# KiCad board TS_FPGA_Module_Rev2.kicad_pcb (continued)
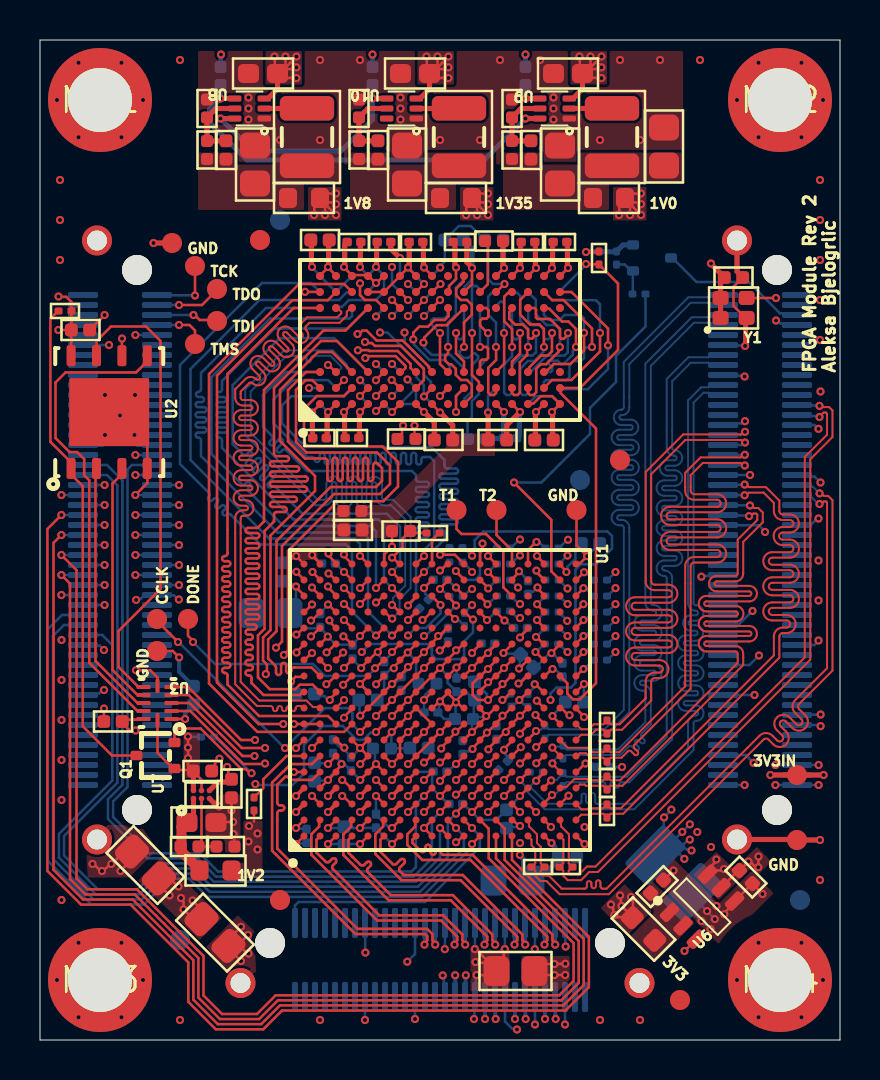
[diagram p0: board, top side]
## Routing (per net, layer and track width the routed paths; a pad name or vN(x,y) marks a point on that pad's centre or on a via; arc(x,y) is an arc through that point) (continued)
GND: length 325.5
  Top Layer w0.127: R61.1 9.7,9.7 9.7,10.28 v1(9.67,10.3) ; U1.M8 22,15.85 22.31,16.15 v1(22.31,16.2) ; v1(8.97,14.07) 8.75,13.84 8.75,13.59 8.59,13.43 ; v1(13.61,24.25) 13.61,24.22 13.94,23.89 13.96,23.89 ; U1.A11 13.16,18.16 12.77,18.16 v1(12.55,17.94) ; v1(16.8,21.88) 16.84,21.88 17.12,22.16 17.16,22.16 ; 17.16,17.36 U1.E9 ; 15.56,14.96 15.64,14.96 v1(16,14.6) U1.E6 16.4,14.19 16.01,13.8 v1(16.01,13.8) ; v1(15.2,18.6) 15.56,18.96 ; U1.L11 v1(21.6,18.6) 21.96,18.96 ; 21.16,19.76 21.12,19.76 20.8,19.44 ; TP5.1 26.82,24.73 v1(27.36,24.19) 27.01,23.84 26.84,23.84 U1.V18 ; v1(20.8,19.49) 20.8,19.45 20.4,19.04 U1.K12 ; U1.J13 19.6,19.85 19.95,20.2 20.32,20.56 20.36,20.56 ; v1(36.12,7.3) 36.12,7.31 35.62,7.81 C77.1 35.61,7.82 34.74,6.95 U6.4 34.73,6.88 34.21,6.36 v1(34.21,6.29) ; C78.1 31.19,8 31.67,8.48 v1(31.67,8.48) ; U2.9 3.73,31.4 5.37,29.76 5.37,27.85 v1(4.77,27.25) ; U1.G6 U1.G7 v1(18.4,15.4) 18.76,15.76 ; 17.96,18.16 v1(17.6,17.8) U1.F10 ; v1(26.42,12.21) 26.42,12.21 26.01,11.8 U1.U3 ; U4.J8 20.45,37.45 20.45,37.7 20.8,38.05 v1(20.8,38.62) ; C49.1 9.85,4.7 ; C49.1 9.42,5.04 v1(10.05,5.66) ; C49.1 9.42,4.58 v1(10.05,3.95) ; 9.85,4.7 9.99,4.7 10.37,4.32 v1(10.43,4.32) ; 9.85,4.7 v1(10.4,5.25) ; v1(14.4,13.8) U1.C6 ; U1.A8 13.92,15.8 13.96,15.76 ; U1.G9 v1(18.4,17) ; v1(4.02,8.45) 4.02,8.46 4.6,9.04 C58.1 ; U1.F6 v1(17.6,13.8) 17.96,14.16 ; C50.1 23.19,3.81 23.19,4.49 v1(23.24,4.54) ; C50.1 22.62,3.25 v1(21.82,3.25) ; C50.1 22.42,3.86 21.82,3.86 v1(21.78,3.9) ; C50.1 22.82,3.5 21.79,4.54 v1(21.74,4.54) ; v1(15.11,12.2) 15.15,12.2 15.55,11.8 U1.D3 ; 13.16,15.76 13.12,15.8 v1(12.69,15.8) ; 18.4,38.61 18.8,38.21 U4.G9 ; 18.4,38.61 18,38.21 U4.F9 U4.E8 U4.D8 ; 18.4,38.61 v1(18.4,38.63) ; v1(12.81,24.2) 12.81,24.2 13.13,23.87 13.14,23.87 ; v1(13.6,14.6) 13.96,14.96 ; 18.42,17.03 18.76,17.36 ; v1(22.4,13) 22.76,13.36 ; v1(19.2,22.6) U1.J17 ; v1(18.4,11.4) U1.H3 ; v1(22.12,24.83) 22.12,24.48 22.01,24.36 22.01,23.81 U1.M18 ; v1(12.8,9.8) U1.A1 ; 35.28,36.1 34.67,36.71 34.67,37.66 C72.2 ; 22.45,17.85 22.4,17.85 22,17.45 ; 22.45,17.85 v1(22.4,17.89) ; 22.45,17.85 22.45,17.89 22.72,18.16 22.76,18.16 ; U4.G1 v1(19.2,31.4) ; v1(17.6,9.8) U1.G1 ; v1(16.01,16.21) 16.36,16.56 ; 18.82,19.03 18.83,19.03 19.2,19.39 v1(19.2,19.39) ; U4.B1 v1(14.4,31.4) 14.36,31.36 ; v1(14.4,33.75) 14.42,33.75 14.78,33.4 U4.B3 ; 3.19,15.86 3.19,16.57 v1(3.2,16.58) ; U1.N15 v1(23.22,20.98) ; 14.81,14.96 14.85,14.96 15.2,14.61 v1(15.21,14.61) ; 26.84,10.16 26.85,10.16 27.21,9.8 v1(27.22,9.8) ; U1.U13 26,19.79 25.57,19.36 v1(25.57,19.34) ; U1.H10 U1.J11 v1(20,18.6) 20.36,18.96 ; U4.G8 v1(19.2,37.8) ; v1(9.57,11.48) 9.57,12.14 ; U1.E12 16.45,19 16.85,19.4 v1(16.89,19.4) 16.89,19.45 17.16,19.72 17.16,19.76 ; 22.76,16.56 22.72,16.56 22.35,16.2 22.28,16.2 22.28,16.28 22,16.55 U1.M9 ; C58.1 4.21,9.42 3.59,8.8 3.51,8.8 3.16,8.45 3.04,8.45 2.69,8.8 v1(2.62,8.8) ; C58.1 4.6,9.56 ; 24.36,16.56 24.36,16.56 24.01,16.21 v1(24,16.21) 24,16.21 23.6,15.81 23.6,15.75 23.3,15.45 23.3,15.4 23.25,15.4 22.85,15 U1.N7 ; 19.56,19.76 19.56,19.76 19.2,19.4 ; U1.N11 v1(23.2,18.6) 23.56,18.96 ; v1(16.8,31.45) 16.82,31.45 17.18,31.8 U4.E1 ; 8.48,12.06 U7.C1 ; v1(6.96,19.13) 6.64,19.45 TP7.1 ; v1(18.4,13) U1.H5 ; v1(12.8,14.6) 13.16,14.96 ; 25.19,22.2 25.19,22.26 24.88,22.58 v1(24.88,22.62) ; v1(14.4,10.6) U1.C2 ; C13.1 14.36,30.14 ; U4.B9 14.8,38.23 14.4,38.63 14,38.23 U4.A9 ; v1(4.8,18.49) 5.51,18.49 5.87,18.13 5.87,17.71 U3.6 ; v1(12.69,13.4) U1.A5 ; 21.16,10.16 21.12,10.16 20.84,9.89 v1(20.8,9.89) ; 22.8,19.78 22.4,19.38 v1(22.4,19.35) 22.38,19.35 22.03,19 U1.M12 ; v1(24.82,13.84) 24.83,13.84 25.19,14.2 U1.T6 ; 26.84,17.44 v1(27.2,17.8) ; U1.H6 U1.J7 v1(20,15.4) 20.36,15.76 ; v1(18.4,13.8) 18.76,14.16 ; 27.95,39.51 27.84,39.4 v1(27.3,39.4) ; U1.H12 18.78,19 18,18.23 U1.G11 ; C7.1 15.97,30.13 ; U4.D1 v1(16,31.4) 15.97,31.37 ; v1(16.06,18.6) 16.06,18.63 16.36,18.93 16.36,18.96 ; v1(19.2,11.4) U1.J3 ; C83.1 8.82,10.9 v1(9.66,10.9) ; v1(23.92,17.83) 23.99,17.83 24.32,18.16 24.36,18.16 ; v1(18.4,12.2) U1.H4 ; v1(13.6,12.2) U1.B3 ; U1.J1 v1(19.2,10.6) U1.J2 ; v1(14.4,21.78) 14.41,21.78 14.75,21.44 14.76,21.44 ; 22.76,14.96 22.76,14.92 22.42,14.57 v1(22.42,14.53) ; 21.96,15.76 v1(21.6,15.4) U1.L7 ; 15.97,14.58 U1.E7 ; U4.M1 v1(23.2,31.4) ; C3.2 2.49,35.5 3.23,36.25 v1(3.23,36.25) ; v1(17.6,13) U1.G5 ; U4.T9 v1(26.4,38.6) ; U4.P1 24.43,31.83 24.67,31.83 25.04,32.19 25.61,32.19 U4.T1 v1(25.6,31.4) ; 23.64,10.96 23.69,10.96 23.95,10.7 v1(24,10.7) ; v1(20,12.2) 20.36,12.56 ; v1(16,10.6) U1.E2 ; v1(16.8,32.2) U4.E2 ; U4.P9 v1(24.8,38.6) ; v1(16.8,13) U1.F4 ; v1(15.11,13) 15.15,13 15.55,12.6 U1.D4 ; v1(20,32.2) U4.J2 ; v1(17.6,16.2) 17.96,16.56 ; v1(17.6,19.4) 17.96,19.76 ; U4.M9 v1(23.2,38.6)
  Top Layer w0.25: v1(8.96,11.68) 8.87,11.68 8.54,12.01
  Top Layer w0.254: C11.1 25.63,30.03 25.63,31.37 v1(25.6,31.4) ; C8.1 16.83,39.87 16.83,38.68 v1(16.8,38.65) ; C72.2 35.13,38.14 34.85,38.43 JM1.102 ; C12.1 16.02,39.88 16.02,38.66 v1(16,38.64) ; v1(39,10) TP13.1 37.82,10.03 JM1.101 ; 14.36,30.14 14.36,31.36 ; C26.1 26.37,39.87 26.37,38.63 v1(26.4,38.6) ; v1(18.4,38.63) 18.4,38.67 18.46,38.73 C9.1 ; v1(23.2,38.6) 23.15,38.65 23.15,39.8 ; v1(20.8,38.62) 20.75,38.68 20.75,39.81 C10.1 ; v1(35.25,34.7) 35.28,34.73 35.28,36.06 Y1.2 ; 15.97,30.13 15.97,31.37 ; C14.1 24.77,39.87 24.77,38.63 v1(24.8,38.6) ; v1(19.2,31.4) 19.72,30.88 C16.1 ; v1(5.67,39.85) TP12.1 ; C6.1 14.43,39.97 14.43,38.68 v1(14.4,38.65) 14.4,38.63
  Int1 (GND) w0.102: 39.15,2.05 38.24,1.14 v1(38.07,1.14) v1(35.92,1.14) 35.84,1.14 34.85,2.12 v1(34.85,3) 34.85,3.79 v1(35.92,4.86) v1(38.07,4.86) 38.16,4.86 39.15,3.88 v1(39.15,3) 39.15,2.05 ; 0.85,47.88 v1(0.85,47) 0.85,46.15 1.86,45.14 v1(1.92,45.14) v1(4.07,45.14) 5.15,46.21 v1(5.15,47) 5.15,47.79 v1(4.07,48.86) v1(1.92,48.86) 1.84,48.86 0.85,47.88 ; 5.15,3.79 v1(5.15,3) 5.15,2.21 v1(4.07,1.14) v1(1.92,1.14) 0.85,2.21 v1(0.85,3) 0.85,3.79 v1(1.92,4.86) v1(4.07,4.86) 5.15,3.79 ; v1(39.15,47) 39.15,46.21 v1(38.07,45.14) v1(35.92,45.14) 34.85,46.21 v1(34.85,47) 34.85,47.79 v1(35.92,48.86) v1(38.07,48.86) 38.24,48.86 39.15,47.95 v1(39.15,47)
  Bottom Layer w0.127: v1(22.31,16.2) 22.26,16.15 21.73,16.15 21.69,16.19 ; 32.64,7.14 32.66,7.14 v1(33.35,6.45) ; 32.64,7.14 32.64,6.39 v1(33.07,5.95) 33.1,5.95 33.5,5.55 v1(33.53,5.55) ; 32.64,7.14 32.64,7.44 33.09,7.44 v1(33.82,6.7) ; v1(23.92,17.83) 24.65,18.55 24.68,18.55 C59.1 24.77,18.62 25.49,19.34 v1(25.57,19.34) ; v1(38.92,26.08) 38.86,26.08 38.61,25.83 37.93,25.83 JM1.53 ; v1(21.7,1.05) 21.72,1.08 21.72,2.12 21.79,2.19 21.79,3.21 v1(21.82,3.25) ; JM1.63 37.93,28.17 38.73,28.17 v1(39.03,27.88) ; v1(22.4,19.35) 22.45,19.4 22.45,19.54 22.69,19.78 22.74,19.78 ; JM1.64 v1(35.5,28.25) ; v1(20,32.2) U4.J2 ; v1(33.07,23.17) 33.11,23.21 34.11,23.21 JM1.44 ; v1(4.77,27.25) JM2.59 ; C31.1 26.83,9.2 27.17,9.54 27.17,9.75 v1(27.22,9.8) ; v1(14.4,21.78) 14.4,21.75 14.01,21.36 C46.1 ; JM1.20 v1(35.72,17.25) ; v1(13.61,24.25) 13.62,24.25 14.05,23.83 C39.1 ; JM3.18 23.25,0.93 23.6,0.58 23.8,0.58 v1(23.85,0.53) ; U4.M9 v1(23.2,38.6) ; 20.38,20.54 20.37,20.54 20.09,20.25 19.96,20.25 v1(19.91,20.2) ; 27.99,24.8 27.96,24.8 27.36,24.2 v1(27.36,24.19) ; 16,38.62 16.4,38.22 ; 16.4,38.22 16.4,38.23 16.8,38.62 17.2,38.23 U5.E1 U4.E8 16.8,37 15.45,37 15.1,36.65 14.85,36.65 U5.B3 ; 16.4,38.22 U5.D1 ; v1(16.01,16.21) 15.98,16.25 15.98,16.96 C60.1 ; v1(3.2,19.5) 2.99,19.71 2.19,19.71 JM2.30 ; 17.21,18.95 17.6,19.34 v1(17.6,19.4) ; 17.21,18.95 C62.1 ; 17.21,18.95 16.94,19.22 16.94,19.35 v1(16.89,19.4) ; v1(16.25,1) JM3.46 ; 21.69,16.19 21.69,16.09 FB2.2 ; 21.69,16.19 21.66,16.19 21.6,16.12 v1(21.6,15.4) 21.56,15.4 21.13,14.97 ; 21.69,16.19 21.69,16.95 C56.1 21.25,17.46 20.82,17.46 ; v1(35.68,13.86) 35.28,14.25 JM1.8 ; v1(35.62,21.45) 35.61,21.45 35.41,21.25 35.41,21.25 34.97,20.81 34.21,20.81 JM1.34 ; v1(38.92,19.98) 38.92,19.95 38.72,19.75 JM1.29 ; v1(12.8,9.8) 12.83,9.83 13.29,9.83 C66.1 ; JM1.74 34.23,30.83 35.06,30.83 35.17,30.94 v1(35.25,30.94) ; v1(12.55,17.94) 12.61,17.88 12.61,17.56 12.79,17.38 ; 33.35,6.45 33.35,6.44 33.74,6.05 v1(33.74,6.04) ; v1(14.4,31.4) U4.B1 ; v1(14.4,31.4) 14.36,31.36 ; v1(14.4,31.4) U5.A9 ; JM1.73 38.72,30.75 38.91,30.56 v1(38.92,30.56) ; v1(18.36,3.91) 18.75,4.3 JM3.35 ; 15.62,19.03 16.06,18.6 v1(16.06,18.6) ; 15.62,19.03 15.62,19.03 15.2,18.61 v1(15.2,18.6) ; 15.62,19.03 15.62,19.06 ; 26.25,5.85 26.27,5.82 26.27,4.69 v1(26.28,4.67) ; U4.B9 14.8,38.23 14.4,38.63 ; v1(18.4,13) 18.81,13.41 19.66,13.41 19.61,13.36 19.61,12.59 v1(20,12.2) 20.01,12.2 20.42,11.8 C34.1 ; v1(14.4,10.6) 15.14,10.6 C65.1 15.26,10.6 v1(16,10.6) 16.01,10.6 16.79,10.6 C67.1 16.8,10.59 17.6,9.8 v1(17.6,9.8) ; v1(35.23,33.17) 35.19,33.21 34.19,33.21 JM1.84 ; C30.1 23.38,10.65 23.95,10.65 v1(24,10.7) ; v1(24.75,0.78) 24.75,2.14 ; U4.P1 24.79,32.19 25.61,32.19 U4.T1 v1(25.6,31.4) ; v1(20,15.4) 19.6,15 19.6,14.76 19.43,14.6 ; 21.75,4.55 21.75,5.85 ; C45.1 23.64,20.6 23.27,20.98 v1(23.22,20.98) ; C70.1 13.75,13.83 14.37,13.83 v1(14.4,13.8) ; U4.G1 v1(19.2,31.4) ; U4.G1 U5.F9 U5.G8 ; U4.G1 U5.G8 ; 22.82,15.04 22.82,14.99 22.42,14.59 v1(22.42,14.53) ; v1(24.88,22.62) 24.87,22.62 24.66,22.42 24.53,22.42 C36.1 ; JM2.20 2.23,17.33 2.95,17.33 3.12,17.5 v1(3.2,17.5) ; v1(35.25,34.7) 35.23,34.73 34.17,34.73 JM1.90 ; C48.1 19.63,23.01 19.21,22.6 v1(19.2,22.6) 19.25,22.55 19.25,22.33 19.39,22.19 19.39,21.99 ; 24.75,4.55 24.75,5.85 ; 15.97,31.37 v1(16,31.4) ; U5.G8 v1(18.38,33.03) ; v1(20,18.6) 20.38,18.22 20.38,17.86 C51.1 ; C41.1 12.35,24.06 12.59,24.06 12.73,24.2 v1(12.81,24.2) ; U4.T9 v1(26.4,38.6) ; v1(16.01,32.99) 16.4,32.6 U5.D8 ; C43.1 27.19,16.91 27.19,17.79 v1(27.2,17.8) ; 25.57,19.33 25.64,19.33 26.12,18.84 C37.1 ; v1(19.2,37.8) U4.G9 18.8,38.21 18.4,38.61 ; v1(16.8,32.2) U4.E2 ; JM2.49 v1(6.95,24.75) ; JM1.2 v1(35.23,12.75) ; JM3.45 16.26,5.84 16.26,4.38 v1(16.27,4.37) ; C68.1 14.65,15 14.98,14.67 15.16,14.67 v1(15.21,14.61) ; v1(35.95,19.23) 35.48,18.75 JM1.26 ; C32.1 v1(29.1,13.65) ; JM1.54 34.16,25.74 35.94,25.74 36.25,25.43 v1(36.25,25.4) ; JM3.29 20.25,5.85 20.25,4.55 v1(20.24,4.54) ; v1(1.07,27.25) JM2.60 ; v1(18.75,1.05) JM3.36 ; U4.P9 v1(24.8,38.6) ; JM2.90 v1(3.45,34.75) ; U4.M1 v1(23.2,31.4) ; JM3.30 20.19,2.21 20.19,3.18 v1(20.14,3.23) ; U4.J8 20.45,37.45 20.45,37.7 20.8,38.05 v1(20.8,38.62) ; JM2.50 v1(3.23,24.75) ; 15.22,14.65 15.27,14.61 15.27,14.45 15.58,14.14 15.6,14.14 15.6,14.18 16,14.58 v1(16,14.6) ; v1(1.07,22.25) JM2.40 ; v1(6.94,22.03) 6.9,22.03 6.7,22.23 5.87,22.23 JM2.39 5.77,22.17 5.15,22.17 5.05,22.06 5.04,22.06 5.03,22.06 4.86,22.06 v1(4.8,22) ; v1(18.4,18.65) 18.35,18.6 18.35,18.48 18.08,18.21 C54.1 18.07,18.17 17.76,17.85 17.65,17.85 v1(17.6,17.8) ; v1(22.4,13) 22.41,13 22.9,13.48 C33.1 ; 23.25,4.55 23.25,5.85 ; v1(26.25,0.78) 26.25,2.14
  Bottom Layer w0.2: v1(4.75,32.25) JM2.79 ; JM2.70 3.09,29.75 3.25,29.91 v1(3.25,30.25) ; JM2.80 v1(3.25,32.25) ; 6.96,19.13 6.96,18.4 C1.2 ; v1(4.72,30.25) 4.72,29.94 4.91,29.75 JM2.69
  Bottom Layer w0.254: C8.1 16.83,39.87 16.83,38.68 v1(16.8,38.65) 16.8,38.63 ; 14.36,31.36 14.36,30.12 C15.1 ; 18.4,38.61 18.4,38.67 18.46,38.73 C9.1 ; v1(24.8,38.6) 24.77,38.63 24.77,39.87 C14.1 ; R18.2 22.32,30.07 23.13,30.07 C25.1 23.18,30.12 23.18,31.38 v1(23.2,31.4) ; C7.1 15.97,30.13 15.97,31.37 ; C6.1 14.43,39.97 14.43,38.68 v1(14.4,38.65) 14.4,38.63 ; 16,38.62 v1(16,38.64) 16.02,38.66 16.02,39.88 C12.1 ; C26.1 26.37,39.87 26.37,38.63 v1(26.4,38.6) ; v1(25.6,31.4) 25.63,31.37 25.63,30.03 C11.1 ; C4.1 23.18,39.98 23.18,38.62 v1(23.2,38.6) ; Q2.3 29.15,39.75 28.9,39.5 28.87,39.5 28.82,39.45 R59.2 28.81,39.41 27.31,39.41 v1(27.3,39.4)
  vias: v1(1,43) v1(1,41) v1(1,39) v1(1.07,20) v1(1.07,18) v1(1.07,16) v1(1.07,14) v1(1.07,12) v1(1.07,7) v1(3.1,8.45) v1(3.57,8.8) v1(4,31.23) v1(7,49) v1(7,1) v1(10.42,47.12) v1(10.42,46.58) v1(10.42,46.03) v1(12,45) v1(14,49) v1(14,45) v1(14,1) v1(16,49) v1(18.03,47.12) v1(18.03,46.58) v1(18.03,46.03) v1(20,45) v1(22,45) v1(23,49) v1(23.29,15.4) v1(24.74,4.54) v1(25,49) v1(25.67,47.12) v1(25.67,46.58) v1(25.67,46.03) v1(28,45) v1(28,1) v1(29,49) v1(30,45) v1(30,1) v1(31,49) v1(33,49) v1(38.92,23.98) v1(38.92,21.98) v1(39,43) v1(39,41) v1(39,39) v1(39,37) v1(39,35) v1(39.03,32.43) v1(39,8)
GNDA: length 6.4
  Top Layer w0.127: 20.4,17.36 U1.K10 ; 20.4,17.36 20,16.96 v1(20,16.93) ; 20.4,17.36 20.4,17.34 20.78,16.96 20.8,16.96 ; U1.L10 21.2,17.36 20.8,16.96 ; v1(20,16.93) 20.04,16.93 20.36,16.6 20.46,16.6 20.74,16.88 v1(20.8,16.88) ; v1(20,16.93) 19.96,16.93 19.64,16.6 U1.J9 ; v1(20.8,16.88) 20.8,16.96 ; v1(20.8,16.88) 20.86,16.88 21.14,16.6 U1.L9
  Bottom Layer w0.127: v1(20.8,16.88) 20.78,16.85 20.78,16.07 FB2.1 20.22,16.05 C64.1 19.95,16.43 19.95,16.87 v1(20,16.93)
/ACQ_EN: length 40.6
  Top Layer w0.127: v1(21.6,12.2) 21.96,12.56
  Int2 (Sign) w0.127: v1(4.77,25.25) 3.88,24.36 3.88,14.45 6.2,12.12 6.2,10.03 9.3,6.94 14.45,6.94 15.07,7.55 20.86,7.55 22.8,9.49 22.8,11.56 22.55,11.81 22.24,11.81 21.87,12.17 21.63,12.17 v1(21.6,12.2)
  Bottom Layer w0.127: v1(4.77,25.25) JM2.51
/ADC_CSn: length 39.8
  Top Layer w0.127: v1(19.2,12.2) 19.56,12.56
  Bottom Layer w0.127: JM2.65 4.6,28.75 4.38,28.53 4.38,12.65 3.65,11.93 3.65,11.15 5.47,9.34 7.98,9.34 8.9,8.43 18.58,8.43 18.79,8.64 18.79,11.79 v1(19.2,12.2)
/ADC_PD: length 39.4
  Top Layer w0.127: v1(20.8,12.27) 20.83,12.27 21.13,12.56 21.16,12.56
  Int2 (Sign) w0.127: v1(20.8,12.27) 20.85,12.22 20.85,11.91 21.19,11.56 21.19,9.57 19.94,8.32 14.75,8.32 14.13,7.7 9.61,7.7 6.97,10.35 6.97,12.48 5.2,14.24 5.2,26.02 6.93,27.75 v1(6.95,27.75)
  Bottom Layer w0.127: JM2.61 v1(6.95,27.75)
/ADC_PG: length 67
  Top Layer w0.127: 24.36,14.16 24.35,14.16 24.01,13.83 v1(24,13.83)
  Int2 (Sign) w0.127: v1(4.77,29.25) 1.67,29.25 0.38,27.95 0.38,8.59 2.19,6.78 4.55,6.78 7.4,3.93 7.4,1.85 8.88,0.38 11.13,0.38 16.01,5.26 22.72,5.26 26.78,9.32 26.78,10.99 26.03,11.74 26.03,13.06 25.69,13.4 24.69,13.4 24.32,13.77 24.05,13.77 v1(24,13.83)
  Bottom Layer w0.127: v1(4.77,29.25) JM2.67
/ADC_RSTn: length 66.6
  Top Layer w0.127: v1(21.6,13.8) 21.96,14.16
  Int2 (Sign) w0.127: v1(21.6,13.8) 22.01,13.39 24.16,13.39 24.42,13.14 24.42,12.72 26.53,10.61 26.53,9.43 22.62,5.52 15.91,5.52 11.02,0.63 8.98,0.63 7.65,1.96 7.65,4.03 4.66,7.03 2.3,7.03 0.63,8.7 0.63,27.43 1.45,28.25 v1(4.77,28.25)
  Bottom Layer w0.127: v1(4.77,28.25) JM2.63
/ADC_SCLK: length 30.9
  Top Layer w0.127: 19.56,14.16 19.52,14.16 19.24,13.88 v1(19.2,13.88)
  Int2 (Sign) w0.127: v1(19.2,13.88) 19.15,13.82 19,13.82 18.57,13.39 18.24,13.39 18,13.16 18,9.58 17.76,9.33 14.33,9.33 13.71,8.72 10.03,8.72 7.98,10.77 7.98,12.9 6.22,14.66 6.22,22.04 6.93,22.75 v1(6.95,22.75)
  Bottom Layer w0.127: JM2.41 v1(6.95,22.75)
/ADC_SDATA: length 37.2
  Top Layer w0.127: v1(20.8,13) 21.16,13.36
  Int2 (Sign) w0.127: v1(4.77,23.25) 4.39,22.87 4.39,14.7 6.71,12.37 6.71,10.24 9.51,7.45 14.24,7.45 14.86,8.06 20.54,8.06 22.01,9.53 22.01,11.55 21.75,11.81 21.44,11.81 21.19,12.05 21.19,12.61 v1(20.8,13)
  Bottom Layer w0.127: v1(4.77,23.25) JM2.43
/ATTEN_1: length 41.7
  Top Layer w0.127: v1(22.4,13.8) 22.76,14.16
  Int2 (Sign) w0.127: v1(24,9.85) 23.97,9.85 23.5,9.38 23.5,8.86 21.68,7.05 15.28,7.05 14.66,6.43 9.09,6.43 5.72,9.8 5.07,9.8 2.75,12.12 2.75,21.27 v1(3.23,21.75)
  Int3 (Sign) w0.127: v1(22.4,13.8) 22.8,13.4 22.8,10.4 23.35,9.85 v1(24,9.85)
  Bottom Layer w0.127: JM2.38 v1(3.23,21.75)
/ATTEN_2: length 57.1
  Top Layer w0.127: U1.M2 22.43,10.57 22.43,9.09 26.68,4.84 26.68,2.96 25.96,2.24 11.79,2.24 10.85,1.3 9.1,1.3 8.17,2.23 8.17,4.2 4.84,7.53 2.37,7.53 1.82,8.08 1.82,23.49 v1(1.07,24.25)
  Bottom Layer w0.127: v1(1.07,24.25) JM2.48
/ATTEN_3: length 60.7
  Top Layer w0.127: v1(1.07,26.25) 0.37,25.55 0.37,8.45 2.05,6.77 4.53,6.77 7.41,3.88 7.41,1.91 8.78,0.54 11.17,0.54 12.1,1.47 26.28,1.47 27.44,2.64 27.44,5.16 23.6,9 U1.P1
  Bottom Layer w0.127: v1(1.07,26.25) JM2.56
/ATTEN_4: length 44.5
  Top Layer w0.127: v1(20,10.6) 20.36,10.24 20.36,10.21
  Bottom Layer w0.127: v1(20,10.6) 20,9.13 18.79,7.92 8.69,7.92 7.77,8.83 6.18,8.83 4.88,7.54 2.89,7.54 1.2,9.23 1.2,10.2 3.87,12.86 3.87,27.73 3.35,28.25 2.15,28.25
/Board_PWR/NetC73_1: length 3.7
  Top Layer w0.254: C73.1 24.55,44.96 23.61,44.96 R46.1 R47.2 24.05,46.58 U9.5
/Board_PWR/NetC81_1: length 3.7
  Top Layer w0.254: U10.5 16.4,46.57 R50.2 R49.1 15.96,44.95 16.9,44.95 C81.1
/Board_PWR/NetC83_2: length 4.3
  Top Layer w0.127: C83.2 7.67,11.2
  Top Layer w0.254: 7.67,11.2 U7.A1
  Top Layer w0.5: R56.1 7.97,8.53 7.07,9.43 7.07,9.62 R60.2 7.07,9.73 7.07,10.65 7.3,10.88 C83.2
/Board_PWR/NetC86_1: length 3.7
  Top Layer w0.254: U8.5 8.8,46.58 R52.2 R51.1 8.35,44.96 9.3,44.96 C86.1
/Board_PWR/NetL1_1: length 2.1
  Top Layer w0.127: 28.59,46.58 L1.1
  Top Layer w0.254: U9.2 28.59,46.58
/Board_PWR/NetL2_1: length 2.1
  Top Layer w0.127: 13.34,46.58 L2.1
  Top Layer w0.254: U8.2 13.34,46.58
/Board_PWR/NetL3_1: length 2.1
  Top Layer w0.127: 20.94,46.57 L3.1
  Top Layer w0.254: U10.2 20.94,46.57
/Board_PWR/NetR45_1: length 1.4
  Top Layer w0.254: v1(24.28,47.08) U9.4
  Bottom Layer w0.254: v1(24.28,47.08) R45.1
/Board_PWR/NetR60_1: length 3.4
  Top Layer w0.127: R61.2 R60.1 8.07,9.82 U7.B1
/Board_PWR/PG_1V0: length 21
  Top Layer w0.254: v1(9.03,47.08) U8.4 ; v1(24.28,46.08) U9.6
  Bottom Layer w0.254: v1(24.28,46.08) 22.2,44 10.35,44 8.47,45.88 8.47,46.53 v1(9.03,47.08) R44.1
/Board_PWR/PG_1V8: length 80.1
  Top Layer w0.127: v1(32.22,4.45) 32.23,4.45 32.82,5.04 U6.3
  Top Layer w0.254: v1(16.62,47.08) U10.4 ; v1(9.03,46.08) U8.6
  Int2 (Sign) w0.127: v1(32.22,4.45) 33.08,4.45 35.33,6.7 38.38,6.7 39.57,7.9 39.57,37.8 34.45,42.93 17.8,42.93 16.62,44.1 v1(16.62,47.08)
  Bottom Layer w0.254: v1(9.03,46.08) 10.65,44.45 15.05,44.45 16.62,46.03 v1(16.62,47.08) R48.1
/D1A_N: length 36.9
  Top Layer w0.1: U1.V4 26.81,12.6 26.98,12.77 27.23,12.77 27.29,12.71 28.17,12.71 28.35,12.53 R6.1 ; 28.35,12.54 28.36,12.54 28.53,12.71 29.12,12.71 35.16,18.75 35.16,19.31 arc(35.05,19.59) 34.77,19.7 33.32,19.7 arc(33.21,19.81) 33.32,19.93 35.46,19.93 arc(35.85,20.31) 35.46,20.7 33.32,20.7 arc(33.21,20.82) 33.32,20.93 34.78,20.93 arc(35.17,21.32) 34.78,21.7 33.32,21.7 arc(33.21,21.82) 33.32,21.93 35.46,21.93 arc(35.85,22.32) 35.46,22.71 33.84,22.71 arc(33.72,22.82) 33.84,22.93 34.77,22.93 arc(35.05,23.05) 35.16,23.32 35.16,24.91 36.14,25.89 36.14,26.38 35.92,26.6 35.71,26.6 35.58,26.73 v1(35.5,26.73)
  Bottom Layer w0.127: JM1.58 34.16,26.74 35.49,26.74 v1(35.5,26.73)
/D1A_P: length 36.9
  Top Layer w0.1: 28.35,13.16 28.36,13.16 28.53,12.99 29.01,12.99 34.89,18.86 34.89,19.31 arc(34.85,19.39) 34.77,19.43 33.32,19.43 arc(32.93,19.81) 33.32,20.2 35.46,20.2 arc(35.57,20.31) 35.46,20.43 33.32,20.43 arc(32.93,20.82) 33.32,21.2 34.78,21.2 arc(34.9,21.32) 34.78,21.43 33.32,21.43 arc(32.93,21.82) 33.32,22.2 35.46,22.2 arc(35.57,22.32) 35.46,22.43 33.84,22.43 arc(33.45,22.82) 33.84,23.21 34.77,23.21 arc(34.85,23.24) 34.89,23.32 34.89,25.02 35.86,26 35.86,26.26 35.81,26.32 35.66,26.32 35.54,26.19 v1(35.45,26.19) ; U1.U4 26.05,12.65 26.32,12.65 26.72,13.05 27.34,13.05 27.4,12.99 28.17,12.99 28.35,13.17 R6.2
  Bottom Layer w0.127: JM1.56 34.18,26.22 35.42,26.22 v1(35.45,26.19)
/D1B_N: length 34.6
  Top Layer w0.1: U1.V2 27.06,11.26 27.49,11.26 27.54,11.31 28.17,11.31 28.35,11.13 R8.1 ; v1(35.23,27.77) 35.31,27.77 35.44,27.64 36.29,27.64 36.97,26.97 36.97,26.45 arc(37.02,26.33) 37.14,26.28 37.5,26.28 arc(37.95,25.82) 37.5,25.37 37.13,25.37 arc(36.95,25.2) 37.13,25.02 37.5,25.02 arc(37.95,24.57) 37.5,24.12 36.61,24.12 arc(36.44,23.94) 36.61,23.76 37.5,23.76 arc(37.95,23.31) 37.5,22.86 36.61,22.86 arc(36.44,22.68) 36.61,22.51 37.5,22.51 arc(37.95,22.06) 37.5,21.61 36.61,21.61 arc(36.44,21.43) 36.61,21.25 37.33,21.25 arc(37.78,20.8) 37.33,20.35 37.14,20.35 arc(37.02,20.3) 36.97,20.17 36.97,19.12 29.16,11.31 28.53,11.31 28.36,11.14 28.35,11.14
  Bottom Layer w0.127: v1(35.23,27.77) 35.22,27.76 34.22,27.76 34.21,27.75
/D1B_P: length 33.8
  Top Layer w0.1: U1.V3 27.06,11.54 27.38,11.54 27.43,11.59 28.17,11.59 28.35,11.77 R8.2 ; v1(35.23,27.24) 35.31,27.24 35.44,27.37 36.18,27.37 36.69,26.86 36.69,26.45 arc(36.82,26.13) 37.14,26 37.5,26 arc(37.67,25.82) 37.5,25.65 37.13,25.65 arc(36.68,25.2) 37.13,24.75 37.5,24.75 arc(37.67,24.57) 37.5,24.39 36.61,24.39 arc(36.16,23.94) 36.61,23.49 37.5,23.49 arc(37.67,23.31) 37.5,23.14 36.61,23.14 arc(36.16,22.68) 36.61,22.23 37.5,22.23 arc(37.67,22.06) 37.5,21.88 36.61,21.88 arc(36.16,21.43) 36.61,20.98 37.33,20.98 arc(37.51,20.8) 37.33,20.62 37.14,20.62 arc(36.82,20.49) 36.69,20.17 36.69,19.23 29.05,11.59 28.53,11.59 28.36,11.76 28.35,11.76
  Bottom Layer w0.127: v1(35.23,27.24) 35.22,27.24 34.16,27.24 JM1.60
/D2A_N: length 37
  Top Layer w0.1: U1.U7 26.39,14.61 27.42,14.61 27.64,14.39 28.17,14.39 28.35,14.57 R1.2 ; v1(35.24,29.26) 35.16,29.26 35.03,29.13 33.03,29.13 32.26,28.36 32.26,27.46 arc(32.39,27.15) 32.71,27.01 33.86,27.01 arc(34.03,26.84) 33.86,26.66 31.5,26.66 arc(31.05,26.21) 31.5,25.76 33.86,25.76 arc(34.03,25.58) 33.86,25.4 31.5,25.4 arc(31.05,24.95) 31.5,24.5 33.86,24.5 arc(34.03,24.32) 33.86,24.15 32.71,24.15 arc(32.39,24.02) 32.26,23.7 32.26,17.69 28.96,14.39 28.53,14.39 28.36,14.56 28.35,14.56
  Bottom Layer w0.127: v1(35.24,29.26) 35.24,29.25 34.15,29.25 JM1.68
/D2A_P: length 36.8
  Top Layer w0.1: v1(35.24,28.72) 35.16,28.72 35.03,28.85 33.14,28.85 32.53,28.25 32.53,27.46 arc(32.59,27.34) 32.71,27.29 33.86,27.29 arc(34.31,26.84) 33.86,26.39 31.5,26.39 arc(31.33,26.21) 31.5,26.03 33.86,26.03 arc(34.31,25.58) 33.86,25.13 31.5,25.13 arc(31.33,24.95) 31.5,24.78 33.86,24.78 arc(34.31,24.32) 33.86,23.87 32.71,23.87 arc(32.59,23.82) 32.53,23.7 32.53,17.57 29.72,14.76 arc(29.68,14.68) 29.72,14.6 29.88,14.44 arc(29.91,14.36) 29.88,14.28 arc(29.8,14.24) 29.72,14.28 29.56,14.43 arc(29.48,14.47) 29.4,14.43 29.07,14.11 28.53,14.11 28.36,13.94 28.35,13.94 ; U1.V6 26.85,14.2 26.98,14.34 27.3,14.34 27.52,14.11 28.17,14.11 28.35,13.93 R1.1
  Bottom Layer w0.127: v1(35.24,28.72) 35.23,28.74 34.16,28.74 JM1.66
/D2B_N: length 36
  Top Layer w0.1: R5.2 28.35,15.97 28.17,15.79 27.69,15.79 27.44,15.54 27.06,15.54 U1.V8 ; v1(35.25,30.41) 35.17,30.41 35.04,30.28 32.16,30.28 30.28,28.4 30.28,22.94 arc(30.42,22.62) 30.74,22.49 31.42,22.49 arc(31.6,22.31) 31.42,22.14 29.75,22.14 arc(29.3,21.69) 29.75,21.24 31.42,21.24 arc(31.6,21.06) 31.42,20.88 29.75,20.88 arc(29.3,20.43) 29.75,19.98 31.42,19.98 arc(31.6,19.8) 31.42,19.63 29.75,19.63 arc(29.3,19.17) 29.75,18.72 30.97,18.72 arc(31.15,18.55) 30.97,18.37 30.74,18.37 arc(30.42,18.24) 30.28,17.92 30.28,17.09 28.99,15.79 28.53,15.79 28.36,15.96 28.35,15.96
  Bottom Layer w0.127: JM1.72 35.05,30.25 35.2,30.41 v1(35.25,30.41)
/D2B_P: length 36
  Top Layer w0.1: U1.V7 27.06,15.26 27.55,15.26 27.8,15.51 28.17,15.51 28.35,15.33 R5.1 ; 28.35,15.34 28.36,15.34 28.53,15.51 29.1,15.51 30.56,16.97 30.56,17.92 arc(30.61,18.04) 30.74,18.1 30.97,18.1 arc(31.42,18.55) 30.97,19 29.75,19 arc(29.58,19.17) 29.75,19.35 31.42,19.35 arc(31.87,19.8) 31.42,20.25 29.75,20.25 arc(29.58,20.43) 29.75,20.61 31.42,20.61 arc(31.87,21.06) 31.42,21.51 29.75,21.51 arc(29.58,21.69) 29.75,21.86 31.42,21.86 arc(31.87,22.31) 31.42,22.77 30.74,22.77 arc(30.61,22.82) 30.56,22.94 30.56,28.29 32.27,30 35.04,30 35.17,29.88 v1(35.25,29.88)
  Bottom Layer w0.127: JM1.70 35.05,29.75 35.17,29.88 v1(35.25,29.88)
/D3A_N: length 40
  Top Layer w0.127: 24.81,12.95 24.81,12.98 25.2,13.37 U1.T5
  Bottom Layer w0.1: 24.81,12.95 24.81,13.04 24.91,13.14 24.91,13.16 24.99,13.24 24.99,13.24 25.14,13.39 R3.1 ; 24.81,12.94 24.75,12.94 24.53,12.72 24.53,12.63 25.35,11.81 26.96,11.81 arc(27.04,11.84) 27.07,11.92 27.07,12.22 arc(27.19,12.33) 27.3,12.22 27.3,11.94 arc(27.42,11.83) 27.53,11.94 27.53,12.24 arc(27.64,12.35) 27.76,12.24 27.76,11.92 arc(27.79,11.84) 27.87,11.81 29.6,11.81 32.4,14.61 32.4,15.84 arc(32.52,16.11) 32.79,16.23 arc(32.9,16.34) 32.79,16.45 32.29,16.45 arc(31.91,16.84) 32.29,17.23 32.79,17.23 arc(32.9,17.34) 32.79,17.46 32.29,17.46 arc(31.91,17.84) 32.29,18.23 32.79,18.23 arc(32.9,18.34) 32.79,18.46 32.29,18.46 arc(31.91,18.85) 32.29,19.23 32.79,19.23 arc(32.9,19.35) 32.79,19.46 32.29,19.46 arc(31.91,19.85) 32.29,20.23 32.77,20.23 arc(32.89,20.35) 32.77,20.46 32.54,20.46 arc(32.15,20.85) 32.54,21.24 32.79,21.24 arc(32.9,21.35) 32.79,21.46 arc(32.52,21.58) 32.4,21.85 32.4,31.98 33.06,32.64 33.42,32.64 33.53,32.74 34.14,32.74
  vias: v1(24.81,12.96)
/D3A_P: length 38.8
  Top Layer w0.127: v1(24,13) U1.R5
  Bottom Layer w0.1: JM1.80 33.54,32.25 33.42,32.36 33.17,32.36 32.68,31.87 32.68,21.85 arc(32.71,21.77) 32.79,21.74 arc(33.18,21.35) 32.79,20.96 32.54,20.96 arc(32.43,20.85) 32.54,20.74 32.77,20.74 arc(33.16,20.35) 32.77,19.96 32.29,19.96 arc(32.18,19.85) 32.29,19.73 32.79,19.73 arc(33.18,19.35) 32.79,18.96 32.29,18.96 arc(32.18,18.85) 32.29,18.73 32.79,18.73 arc(33.18,18.34) 32.79,17.96 32.29,17.96 arc(32.18,17.84) 32.29,17.73 32.79,17.73 arc(33.18,17.34) 32.79,16.95 32.29,16.95 arc(32.18,16.84) 32.29,16.73 32.79,16.73 arc(33.18,16.34) 32.79,15.95 arc(32.71,15.92) 32.68,15.84 32.68,14.5 29.71,11.53 25.24,11.53 24.25,12.52 24.25,12.72 24,12.97 v1(24,13) 24.04,13 24.3,13.27 24.32,13.27 24.45,13.4 24.47,13.4
/D3B_N: length 37.6
  Top Layer w0.127: U1.T4 25.2,12.62 v1(25.56,12.98)